# Altium PCB T1_Card.PcbDoc (part 4 of 6)
Units mil, origin at the board's own origin, x right, y up, seen from the top; angles counter-clockwise.
Board outline 3700.79 x 3582.68 mil, 6 copper layers (Layer 1, Layer 2, Layer 3, Layer 4, Layer 5, Layer 6), stack 65.8 mil thick; 365 components, 265 nets, 1177 pads, 1027 vias.
Unrouted connection lines stored in the file: 4.
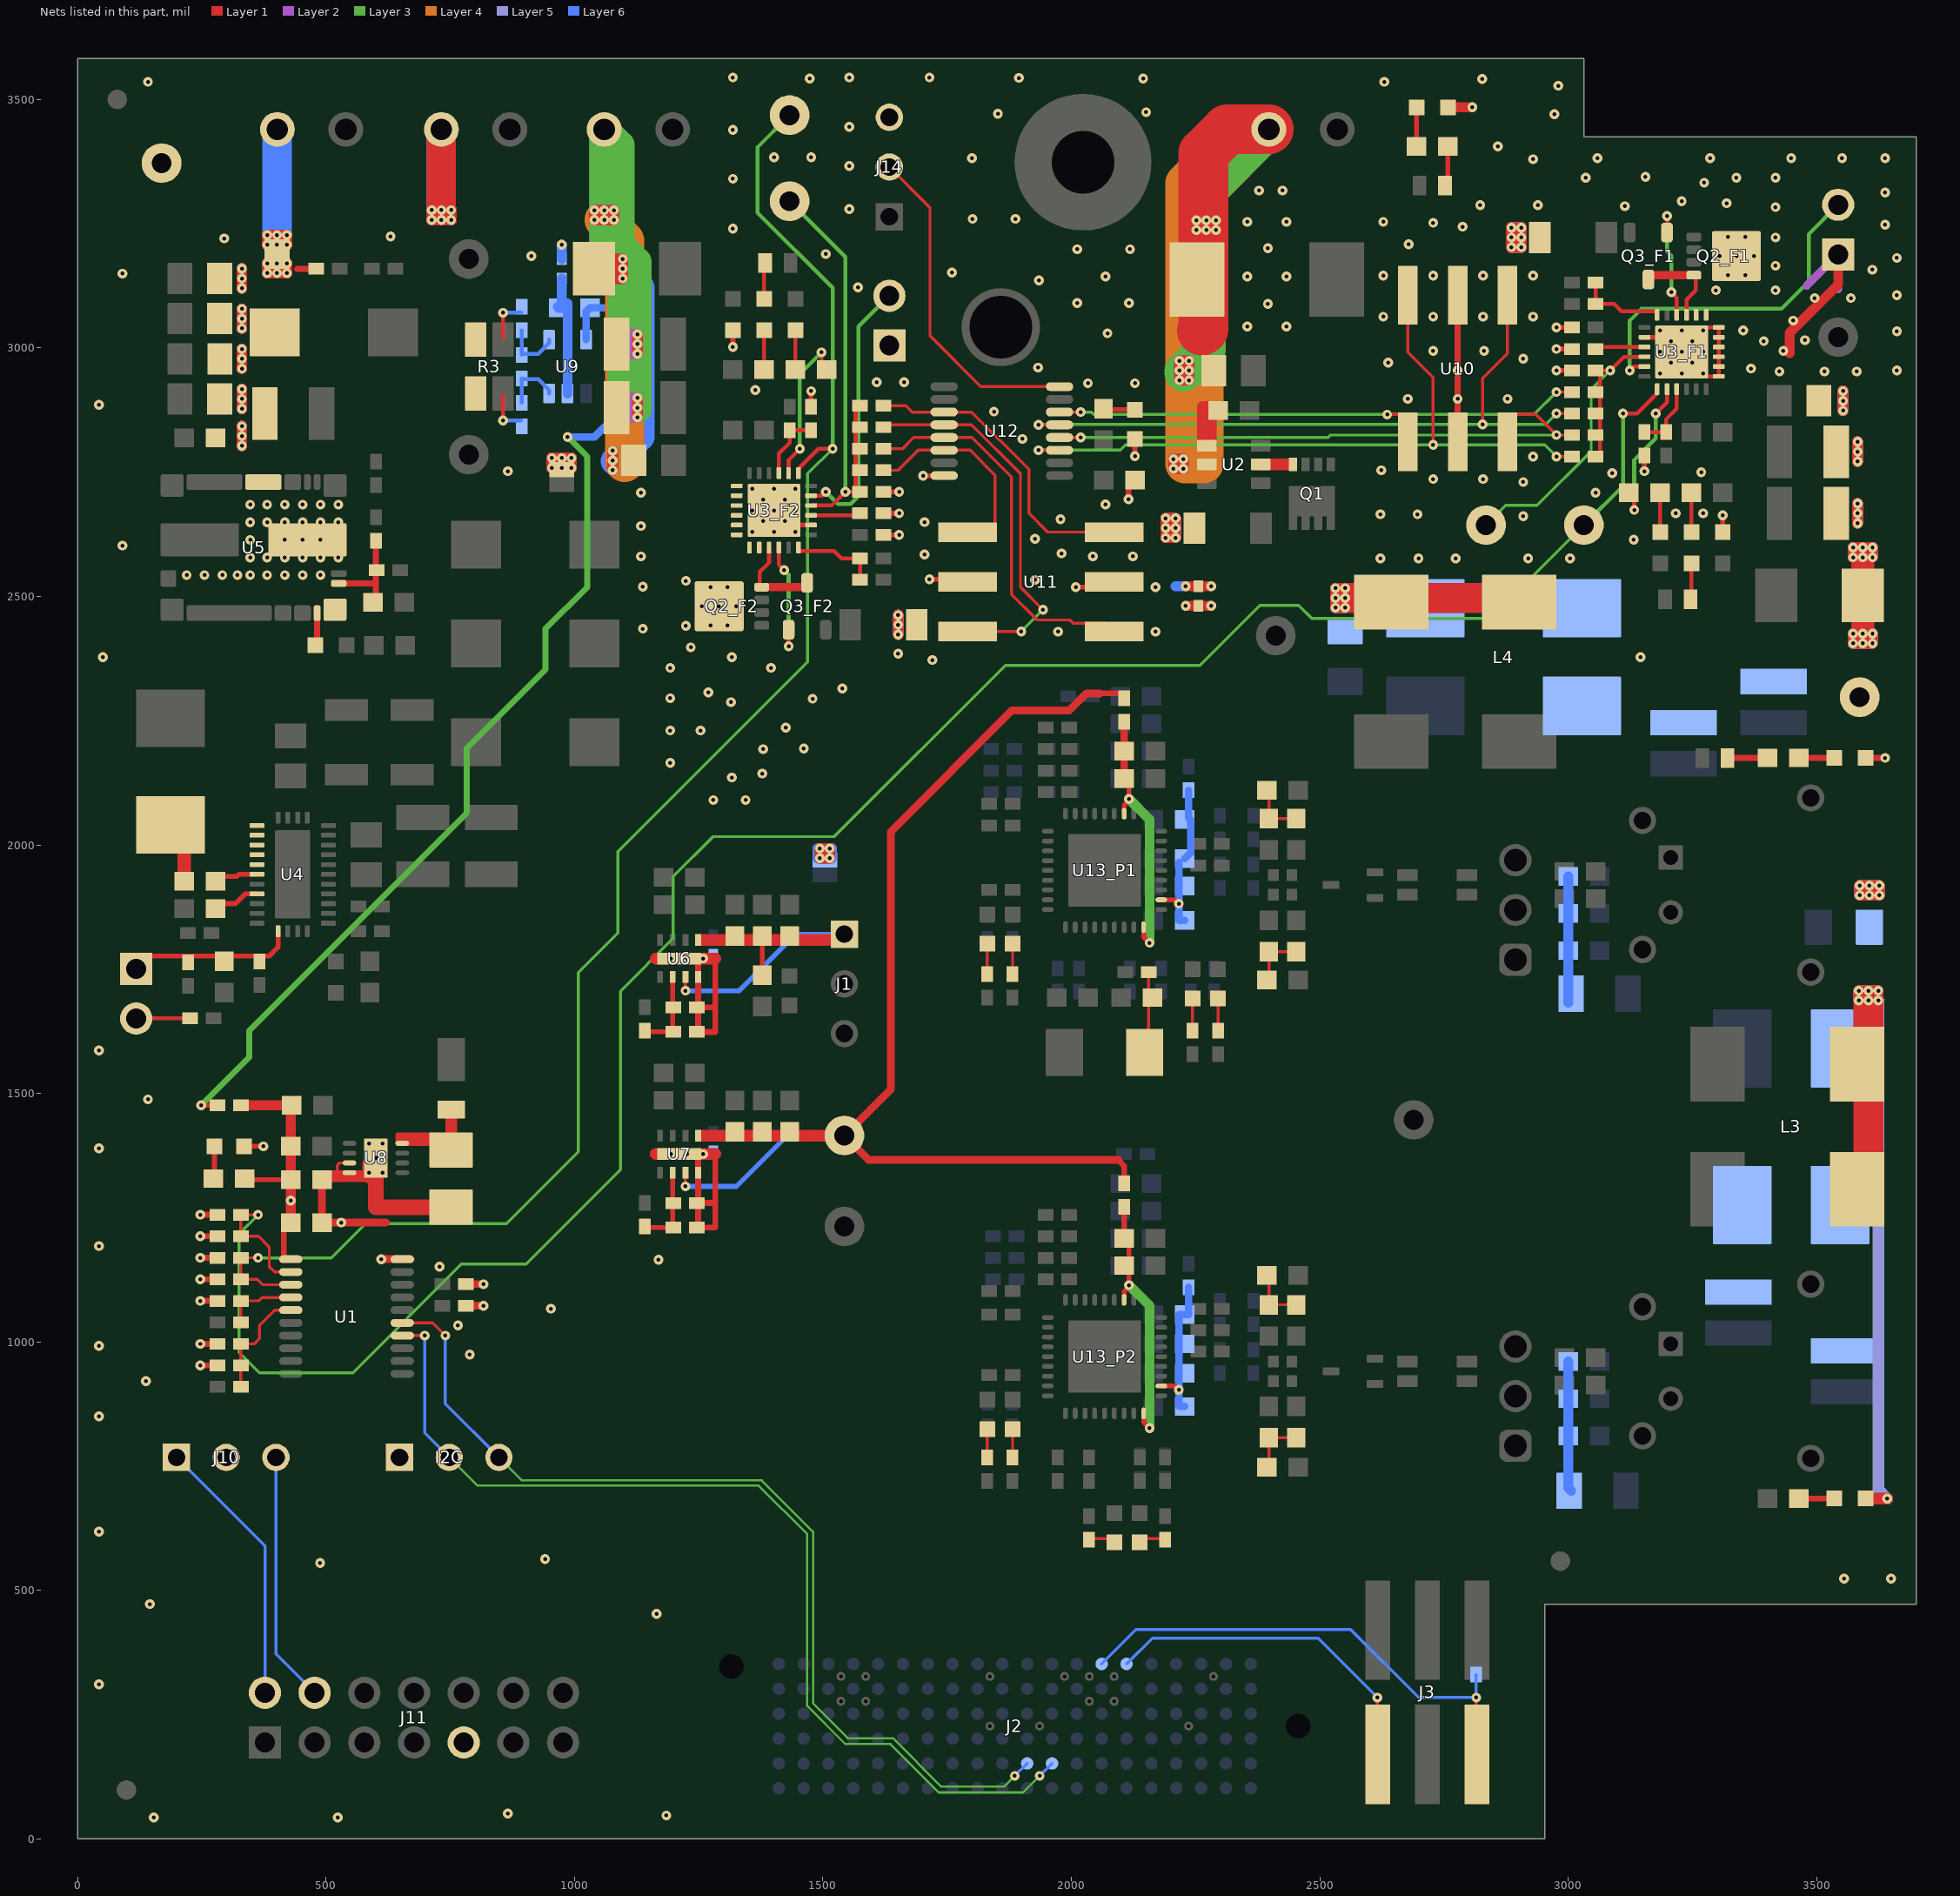
[diagram p8: the nets of this part, all layers, seen from the top]

## Via types
v1: diameter 19.68, hole 7.87, Layer 1 to Layer 6, 982 vias
v2: diameter 19.68, hole 7.87, Layer 1 to Layer 6, tented both sides, 45 vias

## Nets (pads, with @x,y where several pads share a name; then routed paths per layer and width w, separated by ;. In a path a pad name is that pad's centre, name@x,y a point inside that pad or via, vN(x,y) a via of type N, cw(c..) or ccw(c..) an arc to the next point about the centre after c; other vN are vias at no path point) (continued)
GND: C1.2 C2.2 C3.2 C4.2 C5.2 C6.2 C7.2 C9_F1.2 C9_F2.2 C10_F1.2 C10_F2.2 C11_F1.2 C11_F2.2 C12_F1.2 C12_F2.2 C46.2 C47.2 C50.2 C71_F1.2 C71_F2.2 D1.1 D2.2 D3.2 D4.1 D5.1 D9_F1.2 D9_F2.2 D15.2 D25.1 D26.1 D27.1 I2C.1 J6.2 J7.2 J8.2 J9.2 J11.9 L3.1 L4.3 NT2.2 NT3.1 NT4.1 NT6.1 NT9.1 R5.1 R13_F1.1 R13_F2.1 TP1.1 TP10.1 U1.20 U2.2 U8.3 U8.4 U8.9 | length 21188.8
  Layer 1 w5.91: C47.2@492.13,1326.77 C47.2@492.13,1333.66 ; C47.2@494.09,1335.63 496.06,1337.6 522.64,1337.6 522.64,1355.31 527.56,1360.24 U8.3@547.24,1360.24
  Layer 1 w9.84: D15.2@334.65,1393.7 v1(374.02,1393.7) ; U8.4@547.24,1340.55 588.58,1340.55 599.41,1340.55 600.39,1340.55 v1(600.39,1370.08)
  Layer 1 w11.81: v1(247.05,952.76) R5.1@281.5,952.76 ; v1(247.05,996.06) C5.2@281.5,996.06 ; v1(247.05,1082.68) C50.2@281.5,1082.68 ; v1(247.05,1125.98) C71_F2.2@281.5,1125.98 ; v1(247.05,1169.29) R13_F2.1@281.5,1169.29 ; v1(247.05,1212.6) C71_F1.2@281.5,1212.6 ; v1(247.05,1255.91) R13_F1.1@281.5,1255.91 ; D26.1@3598.43,2175.2 v1(3637.8,2175.2)
  Layer 1 w15.75: C47.2@492.13,1326.77 C4.2@492.13,1240.16 v1(530.51,1240.16) 620.08,1240.16 ; U8.9@600.39,1340.55 600.39,1337.6 U8.9@614.17,1337.6 ; v1(611.22,1166.34) U1.20@653.54,1166.34 U1.20@670.28,1166.34 ; C1.2@781.5,1072.83 v1(816.93,1072.83)
  Layer 1 w19.68: v1(2230.32,2481.3) NT2.2@2255.91,2481.3 v1(2281.5,2481.3)
  Layer 1 w20: D25.1@2757.87,3484.25 v1(2807.09,3484.25)
  Layer 1 w21.65: v1(1077.13,2753.94) v1(1077.13,2773.62) v1(1077.13,2793.31) ; v1(1126.97,2860.24) v1(1126.97,2879.92) v1(1126.97,2899.61) ; v1(1126.97,2988.19) v1(1126.97,3007.87) v1(1126.97,3027.56) ; v1(1651.57,2423.23) v1(1651.57,2442.91) v1(1651.57,2462.6) ; v1(3553.15,2874.02) v1(3553.15,2893.7) v1(3553.15,2913.39) ; v1(3582.68,2647.64) v1(3582.68,2667.32) v1(3582.68,2687.01) ; v1(3582.68,2771.65) v1(3582.68,2791.34) v1(3582.68,2811.02) ; v1(3584.65,1687.01) v1(3584.65,1706.69) v1(3604.33,1706.69) v1(3624.02,1706.69) v1(3624.02,1687.01) v1(3604.33,1687.01) ; D9_F2.2@1036.22,3159.45 1036.22,3179.13 v1(1097.44,3179.13) v1(1097.44,3159.45) ; D9_F2.2@1036.22,3159.45 1036.22,3139.76 v1(1097.44,3139.76) v1(1097.44,3159.45) ; D9_F2.2@1036.22,3159.45 D9_F2.2@1038.98,3159.45 v1(1097.44,3159.45) ; v1(381.89,3207.68) v1(381.89,3227.36) v1(401.57,3227.36) v1(421.26,3227.36) v1(421.26,3207.68) v1(401.57,3207.68) v1(381.89,3207.68) ; v1(712.6,3257.87) v1(732.28,3257.87) v1(751.97,3257.87) v1(751.97,3277.56) v1(732.28,3277.56) 732.2,3277.56 v1(712.6,3277.56) v1(712.6,3257.87) ; v1(954.72,2758.86) v1(974.41,2758.86) v1(994.09,2758.86) v1(994.09,2778.54) v1(974.41,2778.54) v1(954.72,2778.54) v1(954.72,2758.86) ; v1(1040.39,3257.67) v1(1060.08,3257.67) v1(1079.76,3257.67) v1(1079.76,3277.36) v1(1060.08,3277.36) v1(1040.39,3277.36) v1(1040.39,3257.67) ; v1(1494.09,1973.43) v1(1513.78,1973.43) v1(1513.78,1993.11) v1(1494.09,1993.11) v1(1494.09,1973.43) ; v1(2189.96,2618.11) v1(2209.65,2618.11) v1(2209.65,2637.8) v1(2209.65,2657.48) v1(2189.96,2657.48) v1(2189.96,2637.8) v1(2189.96,2618.11) ; v1(2205.71,2756.89) v1(2205.71,2776.57) v1(2225.39,2776.57) v1(2225.39,2756.89) v1(2205.71,2756.89) ; v1(2217.52,2935.04) v1(2237.2,2935.04) v1(2237.2,2954.72) v1(2237.2,2974.41) v1(2217.52,2974.41) v1(2217.52,2954.72) v1(2217.52,2935.04) ; v1(2251.97,3237.2) 2265.75,3237.2 v1(2271.65,3237.2) v1(2291.34,3237.2) v1(2291.34,3256.89) v1(2271.65,3256.89) 2265.75,3256.89 v1(2251.97,3256.89) v1(2251.97,3237.2) ; v1(2531.5,2477.36) v1(2531.5,2497.05) v1(2531.5,2516.73) v1(2551.18,2516.73) v1(2551.18,2497.05) v1(2551.18,2477.36) v1(2531.5,2477.36) ; v1(2885.83,3202.76) v1(2885.83,3222.44) v1(2885.83,3242.13) v1(2905.51,3242.13) v1(2905.51,3222.44) v1(2905.51,3202.76) v1(2885.83,3202.76) ; v1(3573.23,2405.51) v1(3592.91,2405.51) v1(3612.6,2405.51) v1(3612.6,2425.2) v1(3592.91,2425.2) v1(3573.23,2425.2) v1(3573.23,2405.51) ; v1(3573.23,2578.74) v1(3592.91,2578.74) v1(3612.6,2578.74) v1(3612.6,2598.43) v1(3592.91,2598.43) v1(3573.23,2598.43) v1(3573.23,2578.74) ; v1(3586.61,1898.62) v1(3586.61,1918.31) v1(3606.3,1918.31) v1(3625.98,1918.31) v1(3625.98,1898.62) v1(3606.3,1898.62) v1(3586.61,1898.62)
  Layer 1 w23.62: C47.2@492.13,1333.66 U8.9@588.58,1333.66 ; U8.9@599.41,1368.11 599.41,1340.55 599.41,1333.66 U8.9@600.39,1333.66 ; D27.1@3598.43,685.04 v1(3641.73,685.04)
  Layer 1 w31.5: U8.9@588.58,1333.66 588.58,1340.55 588.58,1358.27 v1(600.39,1370.08) ; U8.9@600.39,1333.66 600.39,1271.26 C46.2@751.97,1271.26
  Layer 1 w47.24: v1@3592.91,2422.24 v1(3592.91,2425.2) D9_F1.2@3592.91,2501.97 v1(3592.91,2578.74) v1@3592.91,2581.69
  Layer 1 w59.06: v1@732.2,3276.5 732.2,3277.56 J8.2@732.2,3439.8
  Layer 1 w60: D2.2@3581.44,1307.09 3604.33,1329.98 v1(3604.33,1687.01)
  Layer 1 w61.02: v1(2551.18,2497.05) 2901.57,2497.05 D4.1@2901.57,2488.92 D4.1@2901.57,2473.17
  Layer 1 w100: 2262.8,3034.88 2265.75,3037.83 2265.75,3237.2 2265.75,3256.89 2265.75,3391.73 2314.02,3440 J6.2@2397.47,3440
  Layer 2 w21.65: v1(1077.13,2753.94) v1(1077.13,2773.62) v1(1077.13,2793.31) ; v1(1097.44,3139.76) v1(1097.44,3159.45) v1(1097.44,3179.13) ; 1107.28,2860.24 v1(1126.97,2860.24) v1(1126.97,2879.92) ; 1107.28,2879.92 v1(1126.97,2879.92) ; 1107.28,2899.61 v1(1126.97,2899.61) v1(1126.97,2879.92) ; 1107.28,2988.19 v1(1126.97,2988.19) v1(1126.97,3007.87) ; 1107.28,3007.87 v1(1126.97,3007.87) ; 1107.28,3027.56 v1(1126.97,3027.56) v1(1126.97,3007.87) ; v1(1513.78,1973.43) v1(1513.78,1993.11) ; v1(1651.57,2423.23) v1(1651.57,2442.91) v1(1651.57,2462.6) ; v1(3553.15,2874.02) v1(3553.15,2893.7) v1(3553.15,2913.39) ; v1(3582.68,2647.64) v1(3582.68,2667.32) v1(3582.68,2687.01) ; v1(3582.68,2771.65) v1(3582.68,2791.34) v1(3582.68,2811.02) ; v1(381.89,3207.68) v1(421.26,3207.68) v1(421.26,3227.36) v1(381.89,3227.36) v1(381.89,3207.68) ; v1(712.6,3257.87) v1(732.28,3257.87) v1(751.97,3257.87) v1(751.97,3277.56) v1(732.28,3277.56) v1(712.6,3277.56) v1(712.6,3257.87) ; v1(954.72,2758.86) v1(974.41,2758.86) v1(994.09,2758.86) v1(994.09,2778.54) v1(974.41,2778.54) v1(954.72,2778.54) v1(954.72,2758.86) ; v1(1040.39,3257.67) v1(1060.08,3257.67) v1(1079.76,3257.67) v1(1079.76,3277.36) v1(1060.08,3277.36) v1(1040.39,3277.36) v1(1040.39,3257.67) ; v1(2189.96,2618.11) v1(2189.96,2637.8) v1(2189.96,2657.48) v1(2209.65,2657.48) v1(2209.65,2637.8) v1(2209.65,2618.11) v1(2189.96,2618.11) ; v1(2205.71,2756.89) v1(2205.71,2776.57) v1(2225.39,2776.57) v1(2225.39,2756.89) v1(2205.71,2756.89) ; v1(2217.52,2935.04) v1(2217.52,2954.72) v1(2217.52,2974.41) v1(2237.2,2974.41) v1(2237.2,2954.72) v1(2237.2,2935.04) v1(2217.52,2935.04) ; v1(2251.97,3237.2) v1(2271.65,3237.2) v1(2291.34,3237.2) v1(2291.34,3256.89) v1(2271.65,3256.89) v1(2251.97,3256.89) v1(2251.97,3237.2) ; v1(2531.5,2477.36) v1(2551.18,2477.36) v1(2551.18,2497.05) v1(2551.18,2516.73) v1(2531.5,2516.73) v1(2531.5,2497.05) v1(2531.5,2477.36) ; v1(2885.83,3202.76) v1(2885.83,3222.44) v1(2885.83,3242.13) v1(2905.51,3242.13) v1(2905.51,3222.44) v1(2905.51,3202.76) v1(2885.83,3202.76) ; v1(3573.23,2405.51) v1(3592.91,2405.51) v1(3612.6,2405.51) v1(3612.6,2425.2) v1(3592.91,2425.2) v1(3573.23,2425.2) v1(3573.23,2405.51) ; v1(3573.23,2578.74) v1(3573.23,2598.43) v1(3592.91,2598.43) v1(3612.6,2598.43) v1(3612.6,2578.74) v1(3592.91,2578.74) v1(3573.23,2578.74) ; v1(3584.65,1687.01) v1(3604.33,1687.01) v1(3624.02,1687.01) v1(3624.02,1706.69) v1(3604.33,1706.69) v1(3584.65,1706.69) v1(3584.65,1687.01) ; v1(3586.61,1898.62) v1(3586.61,1918.31) v1(3606.3,1918.31) v1(3625.98,1918.31) v1(3625.98,1898.62) v1(3606.3,1898.62) v1(3586.61,1898.62)
  Layer 3 w21.65: v1(1077.13,2753.94) v1(1077.13,2773.62) v1(1077.13,2793.31) ; v1(1097.44,3139.76) 1097.44,3154.53 v1(1097.44,3159.45) v1(1097.44,3179.13) ; v1(1126.97,2860.24) v1(1126.97,2879.92) v1(1126.97,2899.61) ; v1(1126.97,2988.19) v1(1126.97,3007.87) v1(1126.97,3027.56) ; v1(1651.57,2423.23) v1(1651.57,2442.91) v1(1651.57,2462.6) ; v1(3553.15,2874.02) v1(3553.15,2893.7) v1(3553.15,2913.39) ; v1(3582.68,2647.64) v1(3582.68,2667.32) v1(3582.68,2687.01) ; v1(3582.68,2771.65) v1(3582.68,2791.34) v1(3582.68,2811.02) ; v1(381.89,3207.68) v1(421.26,3207.68) v1(421.26,3227.36) v1(381.89,3227.36) v1(381.89,3207.68) ; v1(712.6,3257.87) v1(712.6,3277.56) v1(732.28,3277.56) v1(751.97,3277.56) v1(751.97,3257.87) v1(732.28,3257.87) v1(712.6,3257.87) ; v1(954.72,2758.86) v1(974.41,2758.86) v1(994.09,2758.86) v1(994.09,2778.54) v1(974.41,2778.54) v1(954.72,2778.54) v1(954.72,2758.86) ; v1(1040.39,3257.67) 1060,3257.67 v1(1060.08,3257.67) v1(1079.76,3257.67) v1(1079.76,3277.36) v1(1060.08,3277.36) 1060,3277.36 v1(1040.39,3277.36) v1(1040.39,3257.67) ; v1(1494.09,1973.43) v1(1513.78,1973.43) v1(1513.78,1993.11) v1(1494.09,1993.11) v1(1494.09,1973.43) ; v1(2189.96,2618.11) v1(2189.96,2637.8) v1(2189.96,2657.48) v1(2209.65,2657.48) v1(2209.65,2637.8) v1(2209.65,2618.11) v1(2189.96,2618.11) ; v1(2205.71,2756.89) v1(2205.71,2776.57) v1(2225.39,2776.57) v1(2225.39,2756.89) v1(2205.71,2756.89) ; v1(2217.52,2935.04) v1(2217.52,2954.72) v1(2217.52,2974.41) v1(2237.2,2974.41) 2237.2,2962.6 v1(2237.2,2954.72) v1(2237.2,2935.04) v1(2217.52,2935.04) ; v1(2251.97,3237.2) v1(2271.65,3237.2) v1(2291.34,3237.2) v1(2291.34,3256.89) v1(2271.65,3256.89) v1(2251.97,3256.89) v1(2251.97,3237.2) ; v1(2531.5,2477.36) v1(2551.18,2477.36) v1(2551.18,2497.05) v1(2551.18,2516.73) v1(2531.5,2516.73) v1(2531.5,2497.05) v1(2531.5,2477.36) ; v1(2885.83,3202.76) v1(2885.83,3222.44) v1(2885.83,3242.13) v1(2905.51,3242.13) v1(2905.51,3222.44) v1(2905.51,3202.76) v1(2885.83,3202.76) ; v1(3573.23,2405.51) v1(3592.91,2405.51) v1(3612.6,2405.51) v1(3612.6,2425.2) v1(3592.91,2425.2) v1(3573.23,2425.2) v1(3573.23,2405.51) ; v1(3573.23,2578.74) v1(3592.91,2578.74) v1(3612.6,2578.74) v1(3612.6,2598.43) v1(3592.91,2598.43) v1(3573.23,2598.43) v1(3573.23,2578.74) ; v1(3584.65,1687.01) v1(3604.33,1687.01) v1(3624.02,1687.01) v1(3624.02,1706.69) v1(3604.33,1706.69) v1(3584.65,1706.69) v1(3584.65,1687.01) ; v1(3586.61,1898.62) v1(3586.61,1918.31) v1(3606.3,1918.31) v1(3625.98,1918.31) v1(3625.98,1898.62) v1(3606.3,1898.62) v1(3586.61,1898.62)
  Layer 3 w59.06: v1@1096.46,3155.51 1096.46,2907.48 1125.98,2877.95 1125.98,3125.98 ; v1@1096.46,3155.51 1060,3191.97 1060,3257.67 1060,3277.36 J7.2@1060,3439.6 1091.54,3408.06 1091.54,3207.68 1125.98,3173.23 1125.98,3125.98 ; v1@1096.46,3155.51 1097.44,3154.53 1125.98,3125.98
  Layer 3 w78.74: v1@2226.38,2951.77 2237.2,2962.6 2271.65,2997.05 v1(2271.65,3237.2) v1(2271.65,3256.89) 2271.65,3314.18 J6.2@2397.47,3440
  Layer 4 w21.65: v1(1077.13,2753.94) v1(1077.13,2773.62) v1(1077.13,2793.31) ; v1(1097.44,3139.76) v1(1097.44,3159.45) v1(1097.44,3179.13) ; v1(1126.97,2860.24) v1(1126.97,2879.92) v1(1126.97,2899.61) ; v1(1126.97,2988.19) v1(1126.97,3007.87) v1(1126.97,3027.56) ; v1(1651.57,2423.23) v1(1651.57,2442.91) v1(1651.57,2462.6) ; v1(3553.15,2874.02) v1(3553.15,2893.7) v1(3553.15,2913.39) ; v1(3582.68,2647.64) v1(3582.68,2667.32) v1(3582.68,2687.01) ; v1(3582.68,2771.65) v1(3582.68,2791.34) v1(3582.68,2811.02) ; v1(381.89,3207.68) v1(381.89,3227.36) v1(421.26,3227.36) v1(421.26,3207.68) v1(381.89,3207.68) ; v1(712.6,3257.87) v1(712.6,3277.56) v1(732.28,3277.56) v1(751.97,3277.56) v1(751.97,3257.87) v1(732.28,3257.87) v1(712.6,3257.87) ; v1(954.72,2758.86) v1(974.41,2758.86) v1(994.09,2758.86) v1(994.09,2778.54) v1(974.41,2778.54) v1(954.72,2778.54) v1(954.72,2758.86) ; v1(1040.39,3257.67) v1(1060.08,3257.67) v1(1079.76,3257.67) v1(1079.76,3277.36) v1(1060.08,3277.36) v1(1040.39,3277.36) v1(1040.39,3257.67) ; v1(1494.09,1973.43) v1(1494.09,1993.11) v1(1513.78,1993.11) v1(1513.78,1973.43) v1(1494.09,1973.43) ; v1(2189.96,2618.11) v1(2189.96,2637.8) v1(2189.96,2657.48) v1(2209.65,2657.48) v1(2209.65,2637.8) v1(2209.65,2618.11) v1(2189.96,2618.11) ; v1(2205.71,2756.89) v1(2205.71,2776.57) v1(2225.39,2776.57) v1(2225.39,2756.89) v1(2205.71,2756.89) ; v1(2217.52,2935.04) v1(2217.52,2954.72) v1(2217.52,2974.41) 2228.35,2974.41 v1(2237.2,2974.41) v1(2237.2,2954.72) v1(2237.2,2935.04) 2228.35,2935.04 v1(2217.52,2935.04) ; v1(2251.97,3237.2) 2266.73,3237.2 v1(2271.65,3237.2) v1(2291.34,3237.2) v1(2291.34,3256.89) v1(2271.65,3256.89) 2266.73,3256.89 v1(2251.97,3256.89) v1(2251.97,3237.2) ; v1(2531.5,2477.36) v1(2551.18,2477.36) v1(2551.18,2497.05) v1(2551.18,2516.73) v1(2531.5,2516.73) v1(2531.5,2497.05) v1(2531.5,2477.36) ; v1(2885.83,3202.76) v1(2885.83,3222.44) v1(2885.83,3242.13) v1(2905.51,3242.13) v1(2905.51,3222.44) v1(2905.51,3202.76) v1(2885.83,3202.76) ; v1(3573.23,2405.51) v1(3592.91,2405.51) v1(3612.6,2405.51) v1(3612.6,2425.2) v1(3592.91,2425.2) v1(3573.23,2425.2) v1(3573.23,2405.51) ; v1(3573.23,2578.74) v1(3592.91,2578.74) v1(3612.6,2578.74) v1(3612.6,2598.43) v1(3592.91,2598.43) v1(3573.23,2598.43) v1(3573.23,2578.74) ; v1(3584.65,1687.01) v1(3604.33,1687.01) v1(3624.02,1687.01) v1(3624.02,1706.69) v1(3604.33,1706.69) v1(3584.65,1706.69) v1(3584.65,1687.01) ; v1(3586.61,1898.62) v1(3586.61,1918.31) v1(3606.3,1918.31) v1(3625.98,1918.31) v1(3625.98,1898.62) v1(3606.3,1898.62) v1(3586.61,1898.62)
  Layer 4 w78.74: v1(1060.08,3257.67) 1101.38,3216.37 1101.38,2769.68 ; J6.2@2393.7,3440.94 2337.6,3440.94 2228.35,3331.69 2228.35,2974.41 2228.35,2935.04 2228.35,2766.73 2266.73,2766.73 2266.73,3237.2 2266.73,3256.89 2266.73,3309.26 J6.2@2397.47,3440
  Layer 5 w21.65: v1(1077.13,2753.94) v1(1077.13,2773.62) v1(1077.13,2793.31) ; v1(1097.44,3139.76) v1(1097.44,3159.45) v1(1097.44,3179.13) ; v1(1126.97,2860.24) v1(1126.97,2879.92) v1(1126.97,2899.61) ; v1(1126.97,2988.19) v1(1126.97,3007.87) v1(1126.97,3027.56) ; v1(1651.57,2423.23) v1(1651.57,2442.91) v1(1651.57,2462.6) ; v1(3553.15,2874.02) v1(3553.15,2893.7) v1(3553.15,2913.39) ; v1(3582.68,2647.64) v1(3582.68,2667.32) v1(3582.68,2687.01) ; v1(3582.68,2771.65) v1(3582.68,2791.34) v1(3582.68,2811.02) ; v1(381.89,3207.68) v1(381.89,3227.36) v1(421.26,3227.36) v1(421.26,3207.68) v1(381.89,3207.68) ; v1(712.6,3257.87) v1(712.6,3277.56) v1(732.28,3277.56) v1(751.97,3277.56) v1(751.97,3257.87) v1(732.28,3257.87) v1(712.6,3257.87) ; v1(954.72,2758.86) v1(974.41,2758.86) v1(994.09,2758.86) v1(994.09,2778.54) v1(974.41,2778.54) v1(954.72,2778.54) v1(954.72,2758.86) ; v1(1040.39,3257.67) v1(1060.08,3257.67) v1(1079.76,3257.67) v1(1079.76,3277.36) v1(1060.08,3277.36) v1(1040.39,3277.36) v1(1040.39,3257.67) ; v1(1494.09,1973.43) v1(1513.78,1973.43) v1(1513.78,1993.11) v1(1494.09,1993.11) v1(1494.09,1973.43) ; v1(2189.96,2618.11) v1(2209.65,2618.11) v1(2209.65,2637.8) v1(2209.65,2657.48) v1(2189.96,2657.48) v1(2189.96,2637.8) v1(2189.96,2618.11) ; v1(2205.71,2756.89) v1(2205.71,2776.57) v1(2225.39,2776.57) v1(2225.39,2756.89) v1(2205.71,2756.89) ; v1(2217.52,2935.04) v1(2237.2,2935.04) v1(2237.2,2954.72) v1(2237.2,2974.41) v1(2217.52,2974.41) v1(2217.52,2954.72) v1(2217.52,2935.04) ; v1(2251.97,3237.2) v1(2271.65,3237.2) v1(2291.34,3237.2) v1(2291.34,3256.89) v1(2271.65,3256.89) v1(2251.97,3256.89) v1(2251.97,3237.2) ; v1(2531.5,2477.36) v1(2551.18,2477.36) v1(2551.18,2497.05) v1(2551.18,2516.73) v1(2531.5,2516.73) v1(2531.5,2497.05) v1(2531.5,2477.36) ; v1(2885.83,3202.76) v1(2885.83,3222.44) v1(2885.83,3242.13) v1(2905.51,3242.13) v1(2905.51,3222.44) v1(2905.51,3202.76) v1(2885.83,3202.76) ; v1(3573.23,2405.51) v1(3592.91,2405.51) v1(3612.6,2405.51) v1(3612.6,2425.2) v1(3592.91,2425.2) v1(3573.23,2425.2) v1(3573.23,2405.51) ; v1(3573.23,2578.74) v1(3573.23,2598.43) v1(3592.91,2598.43) v1(3612.6,2598.43) v1(3612.6,2578.74) v1(3592.91,2578.74) v1(3573.23,2578.74) ; v1(3584.65,1687.01) v1(3604.33,1687.01) v1(3624.02,1687.01) v1(3624.02,1706.69) v1(3604.33,1706.69) v1(3584.65,1706.69) v1(3584.65,1687.01) ; v1(3586.61,1898.62) v1(3586.61,1918.31) v1(3606.3,1918.31) v1(3625.98,1918.31) v1(3625.98,1898.62) v1(3606.3,1898.62) v1(3586.61,1898.62)
  Layer 5 w23.62: v1(3624.02,1687.01) 3624.02,702.76 v1(3641.73,685.04)
  Layer 6 w20: NT9.1@974.41,3179.13 v1(974.41,3207.68)
  Layer 6 w21.65: v1(401.57,3227.36) v1(381.89,3227.36) v1(381.89,3207.68) v1(421.26,3207.68) v1(421.26,3227.36) ; v1(1077.13,2753.94) v1(1077.13,2773.62) v1(1077.13,2793.31) ; v1(1097.44,3139.76) 1097.44,3155.51 v1(1097.44,3159.45) v1(1097.44,3179.13) ; v1(1126.97,2860.24) v1(1126.97,2879.92) v1(1126.97,2899.61) ; v1(1126.97,2988.19) v1(1126.97,3007.87) v1(1126.97,3027.56) ; NT6.1@1490.16,1973.55 1490.16,1993.11 v1(1513.78,1993.11) ; v1(1513.78,1973.43) v1(1513.78,1993.11) ; NT6.1@1517.72,1973.55 1517.72,1993.11 v1(1513.78,1993.11) ; v1(1651.57,2423.23) v1(1651.57,2442.91) v1(1651.57,2462.6) ; v1(3553.15,2874.02) v1(3553.15,2893.7) v1(3553.15,2913.39) ; v1(3582.68,2647.64) v1(3582.68,2667.32) v1(3582.68,2687.01) ; v1(3582.68,2771.65) v1(3582.68,2791.34) v1(3582.68,2811.02) ; v1(712.6,3257.87) v1(712.6,3277.56) v1(732.28,3277.56) v1(751.97,3277.56) v1(751.97,3257.87) v1(732.28,3257.87) v1(712.6,3257.87) ; v1(954.72,2758.86) v1(974.41,2758.86) v1(994.09,2758.86) v1(994.09,2778.54) v1(974.41,2778.54) v1(954.72,2778.54) v1(954.72,2758.86) ; v1(1040.39,3257.67) 1060,3257.67 v1(1060.08,3257.67) v1(1079.76,3257.67) v1(1079.76,3277.36) v1(1060.08,3277.36) 1060,3277.36 v1(1040.39,3277.36) v1(1040.39,3257.67) ; v1(2189.96,2618.11) v1(2209.65,2618.11) v1(2209.65,2637.8) v1(2209.65,2657.48) v1(2189.96,2657.48) v1(2189.96,2637.8) v1(2189.96,2618.11) ; v1(2205.71,2756.89) v1(2205.71,2776.57) v1(2225.39,2776.57) v1(2225.39,2756.89) v1(2205.71,2756.89) ; v1(2217.52,2935.04) v1(2217.52,2954.72) v1(2217.52,2974.41) v1(2237.2,2974.41) v1(2237.2,2954.72) v1(2237.2,2935.04) v1(2217.52,2935.04) ; v1(2251.97,3237.2) v1(2271.65,3237.2) v1(2291.34,3237.2) v1(2291.34,3256.89) v1(2271.65,3256.89) v1(2251.97,3256.89) v1(2251.97,3237.2) ; v1(2531.5,2477.36) v1(2551.18,2477.36) v1(2551.18,2497.05) v1(2551.18,2516.73) v1(2531.5,2516.73) v1(2531.5,2497.05) v1(2531.5,2477.36) ; v1(2885.83,3202.76) v1(2885.83,3222.44) v1(2885.83,3242.13) v1(2905.51,3242.13) v1(2905.51,3222.44) v1(2905.51,3202.76) v1(2885.83,3202.76) ; v1(3573.23,2405.51) v1(3592.91,2405.51) v1(3612.6,2405.51) v1(3612.6,2425.2) v1(3592.91,2425.2) v1(3573.23,2425.2) v1(3573.23,2405.51) ; v1(3573.23,2578.74) v1(3573.23,2598.43) v1(3592.91,2598.43) v1(3612.6,2598.43) v1(3612.6,2578.74) v1(3592.91,2578.74) v1(3573.23,2578.74) ; v1(3584.65,1687.01) v1(3604.33,1687.01) v1(3624.02,1687.01) v1(3624.02,1706.69) v1(3604.33,1706.69) v1(3584.65,1706.69) v1(3584.65,1687.01) ; v1(3586.61,1898.62) v1(3586.61,1918.31) v1(3606.3,1918.31) v1(3625.98,1918.31) v1(3625.98,1898.62) v1(3606.3,1898.62) v1(3586.61,1898.62)
  Layer 6 w59.06: v1(401.57,3227.36) J9.2@401.57,3440 ; J8.2@732.2,3439.8 732.2,3277.64 v1(732.28,3277.56) ; J7.2@1060,3439.6 1060,3277.36 1060,3257.67 1060,3192.95 1097.44,3155.51 1131.89,3121.06 1131.89,2821.85 v1@1082.68,2772.64
  other v1: 153.54,43.31 523.62,43.31 1185.04,47.24 866.14,51.18 43.31,311.02 1165.35,452.76 145.67,472.44 3555.12,523.62 3649.61,523.62 488.19,555.12 940.94,562.99 43.31,618.11 43.31,850.39 137.8,921.26 789.37,974.41 43.31,992.13 765.75,1033.46 952.76,1066.93 728.35,1151.57 1169.29,1165.35 43.31,1192.91 586.61,1340.55 614.17,1340.55 43.31,1389.76 586.61,1399.61 614.17,1399.61 141.73,1488.19 43.31,1586.61 1539.37,2314.96 51.18,2377.95 3145.67,2377.95 90.55,2602.36 866.14,2751.97 43.31,2885.83 90.55,3149.61 913.39,3185.04 295.28,3220.47 629.92,3224.41 141.73,3535.43
I1_1: R38.1 U10.8 U12.3 | length 1452.6
  Layer 1 w6: v1(1934.06,2794.29) U12.3@1976.38,2794.29 ; U10.8@2677.56,3106.3 2677.56,2991.73 2728.35,2940.94 v1(2728.35,2805.12) ; v1(2976.38,2781.5) R38.1@3007.87,2781.5
  Layer 3 w6: v1(1934.06,2794.29) 2098.43,2794.29 2109.25,2805.12 v1(2728.35,2805.12) 2952.76,2805.12 v1(2976.38,2781.5)
I1_2: R39.1 U10.4 U12.4 | length 1204.6
  Layer 1 w6: U12.4@1976.38,2819.88 v1(2018.7,2819.88) ; U10.4@2877.56,2811.02 2877.56,2866.14 2935.04,2866.14 v1(2976.38,2824.8) R39.1@3007.87,2824.8
  Layer 3 w6: v1(2018.7,2819.88) 2516.73,2819.88 2521.65,2824.8 v1(2976.38,2824.8)
I1_3: R40.1 U10.2 U12.5 | length 1406
  Layer 1 w6: v1(1934.06,2845.47) U12.5@1976.38,2845.47 ; v1(2827.76,2846.46) 2827.76,2938.98 2877.56,2988.78 U10.2@2877.56,3106.3 ; v1(2976.38,2868.11) R40.1@3007.87,2868.11